# KiCad board oresat-backplane-1u.kicad_pcb (continued)
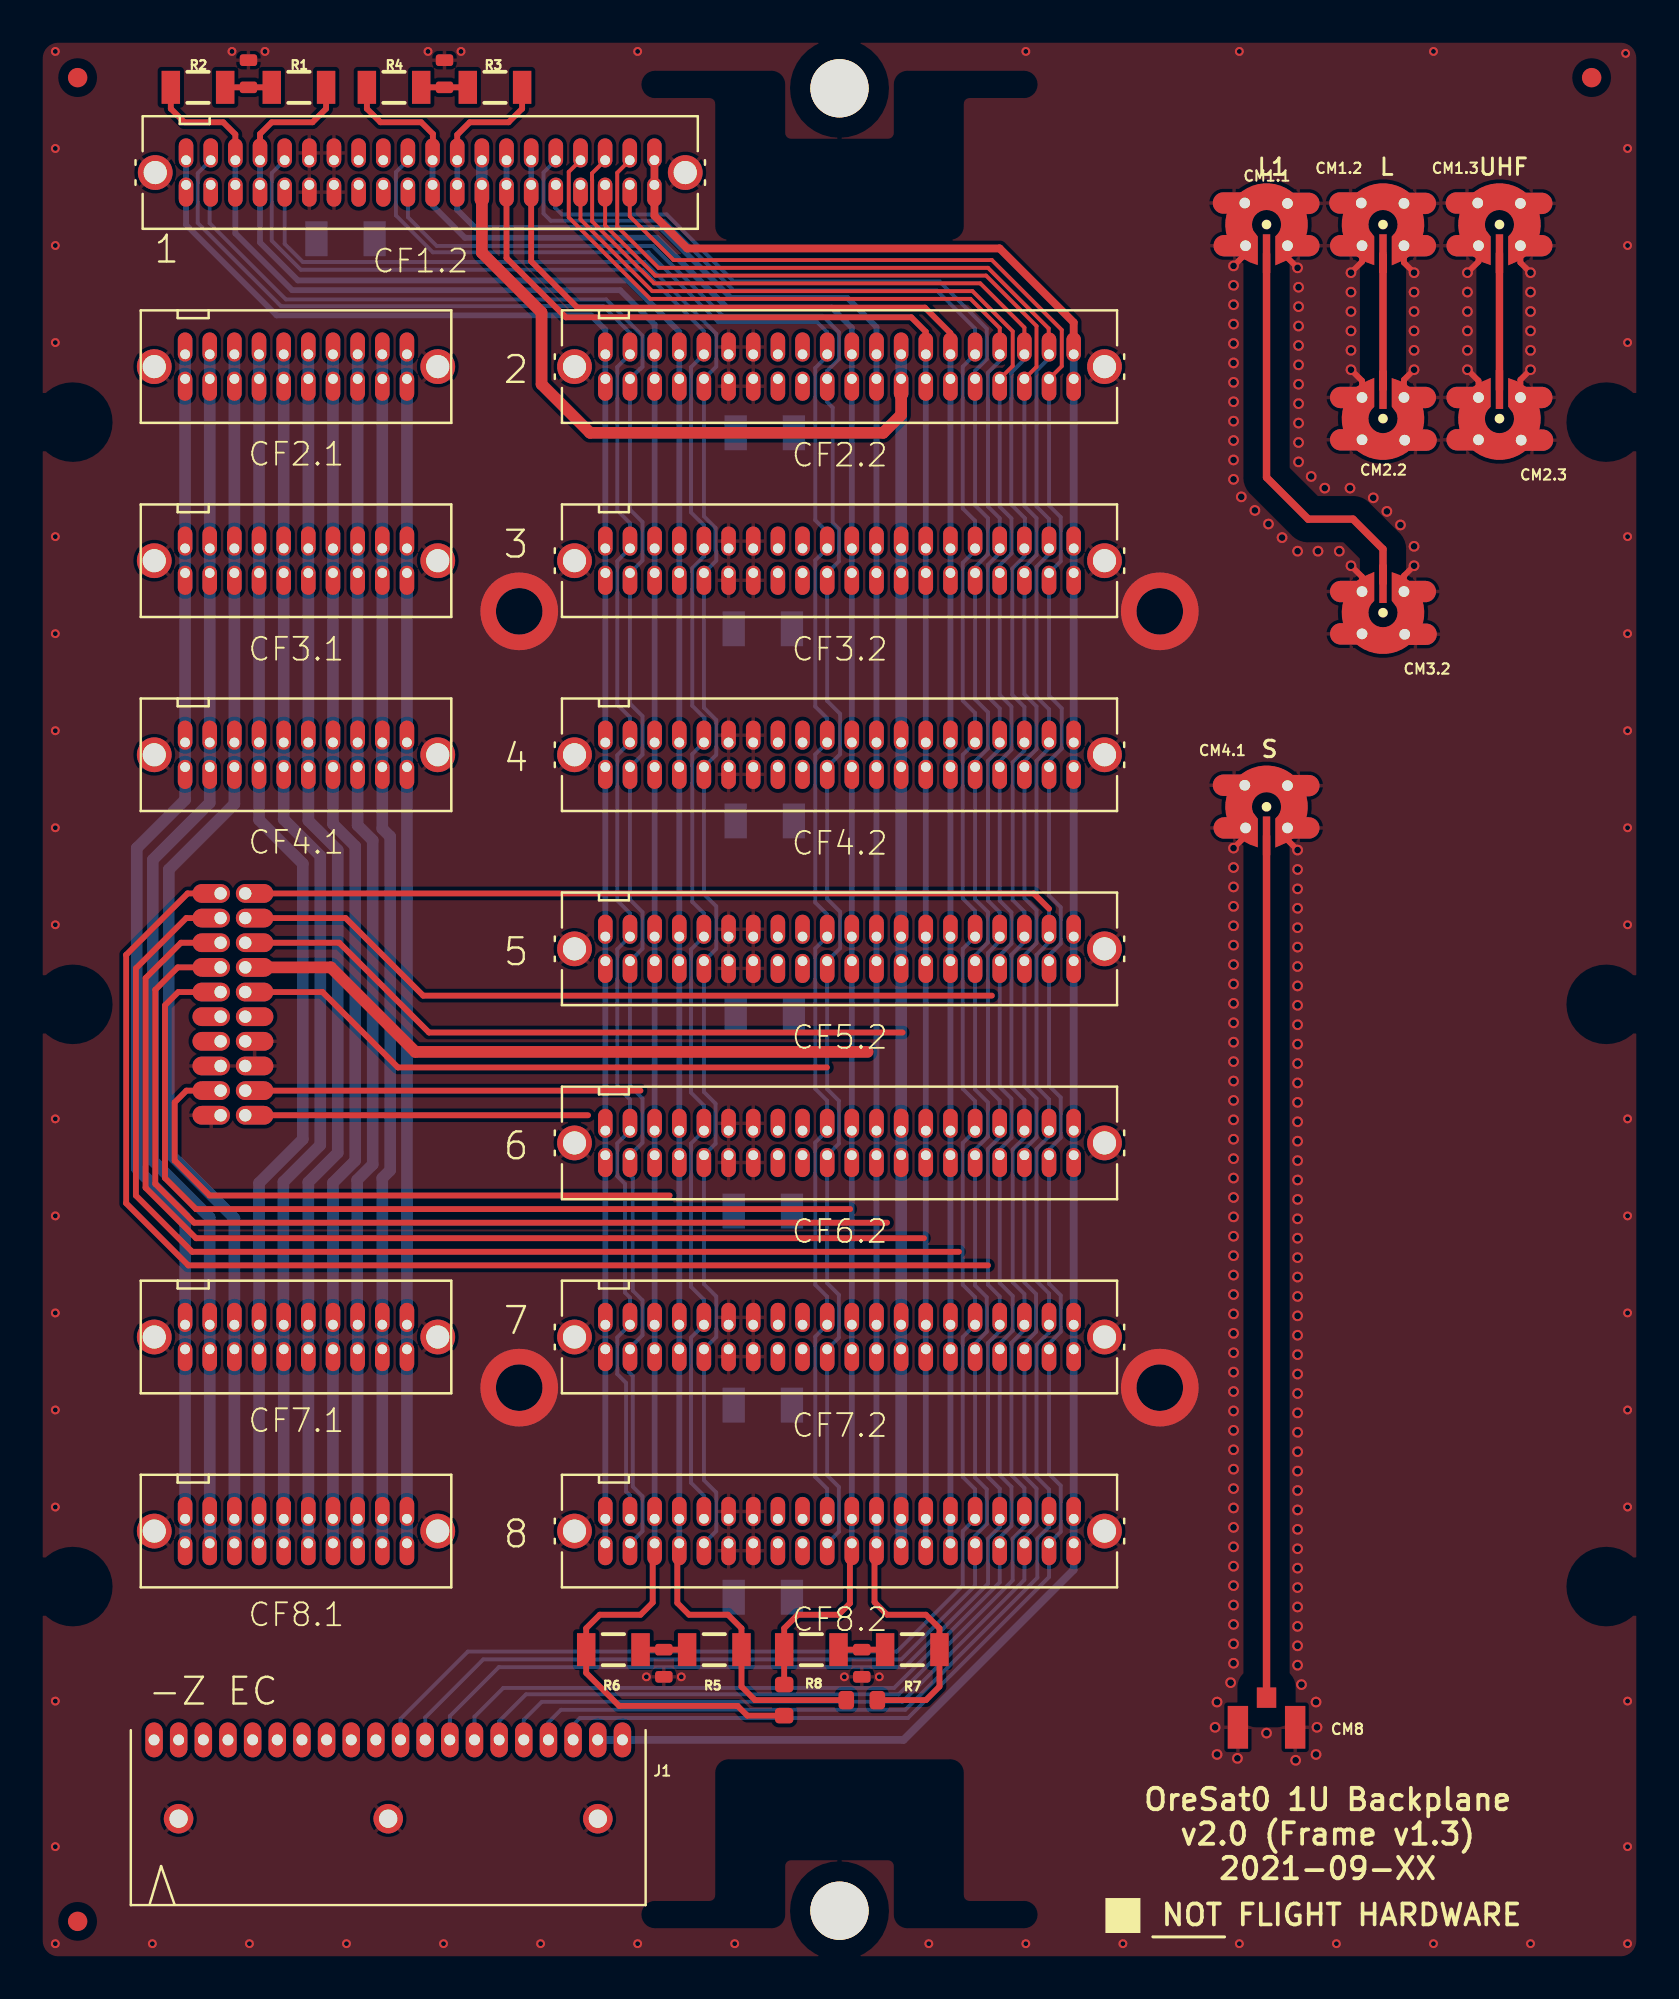
[diagram p0: board, top side]
## Nets (continued)
CAN2_L: CF1.2.19 CF1.2.20 CF2.2.19 CF2.2.20 CF3.2.19 CF3.2.20 CF4.2.19 CF4.2.20 CF5.2.19 CF5.2.20 CF6.2.19 CF6.2.20 CF7.2.19 CF7.2.20 CF8.2.19 CF8.2.20 J3.10 R4.1 R8.1 R9.2
L1-TURNSTILE: CM1.1.RF-DOWN CM3.2.RF-DOWN
L-TURNSTILE: CM1.2.RF-DOWN CM2.2.RF-DOWN
N$1: C2.1 R3.2 R4.2
N$2: C1.1 R1.2 R2.2
N$3: C4.1 R7.2 R8.2
N$4: C3.1 R5.2 R6.2
OPD_PWR: CF1.2.15 CF1.2.16 CF2.2.15 CF2.2.16 CF3.2.15 CF3.2.16 CF4.2.15 CF4.2.16 CF5.2.15 CF5.2.16 CF6.2.15 CF6.2.16 CF7.2.15 CF7.2.16 CF8.2.15 CF8.2.16 J3.8
OPD_SCL: CF1.2.13 CF1.2.14 CF2.2.13 CF2.2.14 CF3.2.13 CF3.2.14 CF4.2.13 CF4.2.14 CF5.2.13 CF5.2.14 CF6.2.13 CF6.2.14 CF7.2.13 CF7.2.14 CF8.2.13 CF8.2.14 J3.7
OPD_SDA: CF1.2.11 CF1.2.12 CF2.2.11 CF2.2.12 CF3.2.11 CF3.2.12 CF4.2.11 CF4.2.12 CF5.2.11 CF5.2.12 CF6.2.11 CF6.2.12 CF7.2.11 CF7.2.12 CF8.2.11 CF8.2.12 J3.6
S-PATCH: CM4.1.RF-DOWN CM8.1
SPARE1: CF1.2.1 CF1.2.2 CF2.2.1 CF2.2.2 CF3.2.1 CF3.2.2 CF4.2.1 CF4.2.2 CF5.2.1 CF5.2.2 CF6.2.1 CF6.2.2 CF7.2.1 CF7.2.2 CF8.2.1 CF8.2.2 J1.19 J1.20
SPARE1-TURNSTILE-DPLY: J3.5
SPARE2: J3.4
SPARE3: CF1.2.3 CF2.2.3 CF3.2.3 CF4.2.3 CF5.2.3 CF6.2.3 CF7.2.3 CF8.2.3 J1.18
SPARE3-MAG-PWR: J3.3
SPARE4: CF1.2.4 CF2.2.4 CF3.2.4 CF4.2.4 CF5.2.4 CF6.2.4 CF7.2.4 CF8.2.4 J1.17
SPARE4-MAG-SCL: J3.2
SPARE5: CF1.2.5 CF2.2.5 CF3.2.5 CF4.2.5 CF5.2.5 CF6.2.5 CF7.2.5 CF8.2.5 J1.16
SPARE5-MAG-SDA: J3.1
SPARE6: CF1.2.6 CF2.2.6 CF3.2.6 CF4.2.6 CF5.2.6 CF6.2.6 CF7.2.6 CF8.2.6 J1.15
SPARE7: CF1.2.7 CF2.2.7 CF3.2.7 CF4.2.7 CF5.2.7 CF6.2.7 CF7.2.7 CF8.2.7 J1.14
SPARE8: CF1.2.8 CF2.2.8 CF3.2.8 CF4.2.8 CF5.2.8 CF6.2.8 CF7.2.8 CF8.2.8 J1.13
SPARE9: CF1.2.9 CF2.2.9 CF3.2.9 CF4.2.9 CF5.2.9 CF6.2.9 CF7.2.9 CF8.2.9 J1.12
SPARE10: CF1.2.10 CF2.2.10 CF3.2.10 CF4.2.10 CF5.2.10 CF6.2.10 CF7.2.10 CF8.2.10 J1.11
SPARE21: CF1.2.21 CF2.2.21 CF3.2.21 CF4.2.21 CF5.2.21 CF6.2.21 CF7.2.21 CF8.2.21
SPARE22: CF1.2.22 CF2.2.22 CF3.2.22 CF4.2.22 CF5.2.22 CF6.2.22 CF7.2.22 CF8.2.22
SPARE31: CF1.2.31 CF2.2.31 CF3.2.31 CF4.2.31 CF5.2.31 CF6.2.31 CF7.2.31 CF8.2.31
SPARE32: CF1.2.32 CF2.2.32 CF3.2.32 CF4.2.32 CF5.2.32 CF6.2.32 CF7.2.32 CF8.2.32
UART-RX: CF1.2.38 CF2.2.38 CF3.2.38 CF4.2.38 CF5.2.38 CF6.2.38 CF7.2.38 CF8.2.38
UART-TX: CF1.2.37 CF2.2.37 CF3.2.37 CF4.2.37 CF5.2.37 CF6.2.37 CF7.2.37 CF8.2.37
UHF-TURNSTILE: CM1.3.RF-DOWN CM2.3.RF-DOWN
~{SD}: CF1.2.39 CF1.2.40 CF2.2.39 CF2.2.40 CF3.2.39 CF3.2.40 CF4.2.39 CF4.2.40 CF5.2.39 CF5.2.40 CF6.2.39 CF6.2.40 CF7.2.39 CF7.2.40 CF8.2.39 CF8.2.40 J3.20

Pads without a net: FIDUCIAL1 FIDUCIAL; FIDUCIAL2 FIDUCIAL; FIDUCIAL3 FIDUCIAL; J1 1 2 3 4 5 6 7 8 9 10

## Via types
v1: diameter 0.553, hole 0.35, Top to Bottom, 160 vias
v2: diameter 0.457, hole 0.254, Top to Bottom, 60 vias
v3: diameter 4, hole 2.4, Top to Bottom, 4 vias

## Routing (per net, layer and track width the routed paths; a pad name or vN(x,y) marks a point on that pad's centre or on a via; arc(x,y) is an arc through that point)
GND: length 21.5
  Top w0.3: CM4.1.P$3 62.17,57.92 v1(61.55,57.3) ; v1(70.85,71.85) 70.33,71.33 CM3.2.P$3 ; v1(61.55,87.3) 62.17,87.92 CM1.1.P$3 ; v1(70.85,86.95) 70.33,87.47 CM1.2.P$4 ; v1(64.85,57.2) 64.33,57.72 CM4.1.P$4 ; CM2.3.P$3 76.33,81.43 v1(76.85,81.95) ; CM1.2.P$3 68.17,87.52 v1(67.6,86.95) ; v1(76.85,86.95) 76.33,87.47 CM1.3.P$4 ; v1(73.6,86.95) 74.17,87.52 CM1.3.P$3 ; CM2.2.P$4 68.17,81.38 v1(67.6,81.95) ; v1(67.6,71.85) 68.17,71.28 CM3.2.P$4 ; v1(64.85,87.2) 64.33,87.72 CM1.1.P$4 ; v1(73.6,81.95) 74.17,81.38 CM2.3.P$4 ; v1(70.85,81.95) 70.33,81.43 CM2.2.P$3
  vias: v1(60.6,12) v1(60.7,13.3) v1(60.7,10.6) v1(61.4,14.3) v1(61.55,86.3) v1(61.55,85.3) v1(61.55,84.3) v1(61.55,83.3) v1(61.55,82.3) v1(61.55,81.3) v1(61.55,80.3) v1(61.55,79.3) v1(61.55,78.3) v1(61.55,77.3) v1(61.55,76.3) v1(61.55,56.3) v1(61.55,55.3) v1(61.55,54.3) v1(61.55,53.3) v1(61.55,52.3) v1(61.55,51.3) v1(61.55,50.3) v1(61.55,49.3) v1(61.55,48.3) v1(61.55,47.3) v1(61.55,46.3) v1(61.55,45.3) v1(61.55,44.3) v1(61.55,43.3) v1(61.55,42.3) v1(61.55,41.3) v1(61.55,40.3) v1(61.55,39.3) v1(61.55,38.3) v1(61.55,37.3) v1(61.55,36.3) v1(61.55,35.3) v1(61.55,34.3) v1(61.55,33.3) v1(61.55,32.3) v1(61.55,31.3) v1(61.55,30.3) v1(61.55,29.3) v1(61.55,28.3) v1(61.55,27.3) v1(61.55,26.3) v1(61.55,25.3) v1(61.55,24.3) v1(61.55,23.3) v1(61.55,22.3) v1(61.55,21.3) v1(61.55,20.3) v1(61.55,19.3) v1(61.55,18.3) v1(61.55,17.3) v1(61.55,16.3) v1(61.55,15.3) v1(61.75,10.4) v1(61.95,75.4) v1(62.65,74.7) v1(63.25,11.7) v1(63.35,74) v1(64.05,73.3) v1(64.75,10.3) v1(64.85,72.6) v1(64.85,56.2) v1(64.85,55.2) v1(64.85,54.2) v1(64.85,53.2) v1(64.85,52.2) v1(64.85,51.2) v1(64.85,50.2) v1(64.85,49.2) v1(64.85,48.2) v1(64.85,47.2) v1(64.85,46.2) v1(64.85,45.2) v1(64.85,44.2) v1(64.85,43.2) v1(64.85,42.2) v1(64.85,41.2) v1(64.85,40.2) v1(64.85,39.2) v1(64.85,38.2) v1(64.85,37.2) v1(64.85,36.2) v1(64.85,35.2) v1(64.85,34.2) v1(64.85,33.2) v1(64.85,32.2) v1(64.85,31.2) v1(64.85,30.2) v1(64.85,29.2) v1(64.85,28.2) v1(64.85,27.2) v1(64.85,26.2) v1(64.85,25.2) v1(64.85,24.2) v1(64.85,23.2) v1(64.85,22.2) v1(64.85,21.2) v1(64.85,20.2) v1(64.85,19.2) v1(64.85,18.2) v1(64.85,17.2) v1(64.85,16.2) v1(64.85,15.2) v1(64.9,86.2) v1(64.9,85.2) v1(64.9,84.2) v1(64.9,83.2) v1(64.9,82.2) v1(64.9,81.2) v1(64.9,80.2) v1(64.9,79.2) v1(64.9,78.2) v1(64.9,77.2) v1(65.05,14.2) v1(65.55,76.45) v1(65.8,13.3) v1(65.85,12) v1(65.8,10.6) v1(65.9,72.6) v1(66.25,75.85) v1(67,72.6) v1(67.55,75.85) v1(67.6,85.95) v1(67.6,84.95) v1(67.6,83.95) v1(67.6,82.95) v1(68.75,75.35) v1(69.45,74.65) v1(70.15,73.95) v1(70.85,85.95) v1(70.85,84.95) v1(70.85,83.95) v1(70.85,82.95) v1(70.85,72.85) v1(73.6,85.95) v1(73.6,84.95) v1(73.6,83.95) v1(73.6,82.95) v1(76.85,85.95) v1(76.85,84.95) v1(76.85,83.95) v1(76.85,82.95) v2(0.85,98.35) v2(0.85,93.35) v2(0.85,88.35) v2(0.85,83.35) v2(0.85,73.35) v2(0.85,68.35) v2(0.85,63.35) v2(0.85,58.35) v2(0.85,53.35) v2(0.85,43.35) v2(0.85,38.35) v2(0.85,33.35) v2(0.85,28.35) v2(0.85,23.35) v2(0.85,13.35) v2(0.85,5.85) v2(0.85,0.85) v2(5.85,0.85) v2(9.95,98.35) v2(10.85,0.85) v2(11.65,98.35) v2(15.85,0.85) v2(20.05,98.35) v2(20.85,0.85) v2(21.75,98.35) v2(25.85,0.85) v2(30.85,98.35) v2(30.85,0.85) v2(31.3,14.6) v2(33.1,14.6) v2(35.85,0.85) v2(41.5,14.6) v2(43.3,14.6) v2(45.85,0.85) v2(50.85,98.35) v2(50.85,0.85) v2(55.85,0.85) v2(61.85,98.35) v2(61.85,0.85) v2(66.85,0.85) v2(71.85,98.35) v2(71.85,0.85) v2(76.85,0.85) v2(81.75,98.25) v2(81.85,93.35) v2(81.85,88.35) v2(81.85,83.35) v2(81.85,73.35) v2(81.85,68.35) v2(81.85,63.35) v2(81.85,58.35) v2(81.85,53.35) v2(81.85,43.35) v2(81.85,38.35) v2(81.85,33.35) v2(81.85,28.35) v2(81.85,23.35) v2(81.85,13.35) v2(81.85,5.85) v2(81.85,0.85) v3(24.75,69.5) v3(24.75,29.5) v3(57.75,69.5) v3(57.75,29.5)
VBUS: length 31.4
  In2.Cu w1: 39.48,48.62 J3.12 J3.11 J3.13
AUX-1: length 61.3
  Bottom w0.6: CF8.1.1 CF8.1.2 CF7.1.1 CF7.1.2 CF4.1.1 CF4.1.2 CF3.1.1 CF3.1.2 CF2.1.1 CF2.1.2
AUX-2: length 62.9
  Bottom w0.6: CF2.1.4 CF2.1.3 CF3.1.4 CF3.1.3 CF4.1.3 ; CF8.1.3 CF8.1.4 CF7.1.3 CF7.1.4 17.7,40.3 18.1,40.7 18.1,57.9 17.7,58.31 CF4.1.3 ; CF4.1.3 CF4.1.4
AUX-3: length 64.5
  Bottom w0.6: CF8.1.6 CF8.1.5 CF7.1.5 CF7.1.6 16.4,32.77 16.4,40.2 17.2,41 17.2,57.7 16.43,58.48 CF4.1.5 ; CF4.1.5 CF4.1.6 ; CF4.1.5 CF3.1.5 CF3.1.6 CF2.1.5 CF2.1.6
AUX-4: length 63.5
  Bottom w0.6: CF4.1.8 CF4.1.7 ; CF4.1.7 15.16,58.55 16.3,57.4 16.3,41.2 15.16,40.06 CF7.1.8 CF7.1.7 CF8.1.8 CF8.1.7 ; CF4.1.7 CF3.1.7 CF3.1.8 CF2.1.7 CF2.1.8
AUX-5: length 63.8
  Bottom w0.6: CF2.1.10 CF2.1.9 CF3.1.10 CF3.1.9 CF4.1.9 ; CF4.1.9 13.89,58.72 15.4,57.2 15.4,41.6 13.89,40.09 CF7.1.10 CF7.1.9 CF8.1.10 CF8.1.9 ; CF4.1.9 CF4.1.10
AUX-6: length 65.4
  Bottom w0.6: CF4.1.11 12.62,58.79 14.5,56.9 14.5,42 12.6,40.1 12.6,32.76 CF7.1.12 CF7.1.11 CF8.1.11 CF8.1.12 ; CF4.1.11 CF4.1.12 ; CF4.1.11 CF3.1.11 CF3.1.12 CF2.1.11 CF2.1.12
AUX-7: length 65.7
  Bottom w0.6: CF4.1.13 11.35,58.76 13.6,56.5 13.6,42.3 11.35,40.05 CF7.1.14 CF7.1.13 CF8.1.13 CF8.1.14 ; CF4.1.13 CF4.1.14 ; CF4.1.13 CF3.1.13 CF3.1.14 CF2.1.13 CF2.1.14
AUX-8: length 66.6
  Bottom w0.6: CF2.1.16 CF2.1.15 CF3.1.16 CF3.1.15 CF4.1.15 ; CF4.1.15 10.08,59.58 6.7,56.2 6.7,41.6 10.08,38.23 CF7.1.16 CF7.1.15 CF8.1.15 CF8.1.16 ; CF4.1.15 CF4.1.16
AUX-9: length 66.2
  Bottom w0.6: CF4.1.17 8.81,59.63 5.87,56.7 5.87,41.2 8.81,38.27 CF7.1.18 CF7.1.17 CF8.1.17 CF8.1.18 ; CF4.1.17 CF4.1.18 ; CF4.1.17 CF3.1.17 CF3.1.18 CF2.1.17 CF2.1.18
AUX-10: length 63.3
  Bottom w0.6: CF8.1.19 CF8.1.20 CF7.1.19 CF7.1.20 7.54,38.31 5.05,40.8 5.05,57.3 7.54,59.79 CF4.1.19 CF4.1.20 CF3.1.19 CF3.1.20 CF2.1.19 CF2.1.20
CAN1_H: length 144.3
  Top w0.3: R10.1 36.9,13.4 36.2,14.1 R5.1 36.2,17.1 35.5,17.8 33.5,17.8 32.89,18.41 32.89,21.38 CF8.2.33 ; J3.17 7.61,44.81 7,44.2 7,41.2 8.8,39.4 32.5,39.4 ; CF1.2.34 11.4,94.09 12,94.7 14.1,94.7 14.8,95.4 R1.1
  Bottom w0.3: 33,52.5 CF4.2.33 CF4.2.34 CF3.2.33 CF3.2.34 CF2.2.33 CF2.2.34 33,83.91 30.35,86.55 13.35,86.55 11.4,88.51 CF1.2.33 CF1.2.34 ; 33,52.5 CF5.2.34 ; 33,52.5 CF5.2.33 CF6.2.34 CF6.2.33 CF7.2.34 CF7.2.33 CF8.2.34 CF8.2.33
CAN1_L: length 137.3
  Top w0.3: R2.1 6.8,95.4 7.5,94.7 9.5,94.7 10.12,94.08 CF1.2.36 ; CF8.2.35 31.63,21.38 31.63,18.43 31,17.8 28.9,17.8 28.2,17.1 R6.1 28.2,14.8 29.9,13.1 36,13.1 36.5,12.6 R9.1 ; J3.18 31,44.81
  Bottom w0.3: CF1.2.36 CF1.2.35 10.12,88.98 13.05,86.05 29.95,86.05 31.73,84.28 CF2.2.36 CF2.2.35 CF3.2.36 CF3.2.35 CF4.2.36 CF4.2.35 CF5.2.36 CF5.2.35 CF6.2.36 CF6.2.35 CF7.2.36 CF7.2.35 CF8.2.36 CF8.2.35
CAN2_H: length 157.1
  Top w0.3: CF8.2.17 43.05,21.38 43.05,18.44 43.7,17.8 45.7,17.8 46.4,17.1 R7.1 46.4,14.1 45.7,13.4 R10.2 ; J3.9 7.19,49.89 6.5,49.2 6.5,40.3 8.1,38.7 41.8,38.7 ; R3.1 24.9,95.4 24.2,94.7 22.2,94.7 21.55,94.06 CF1.2.18
  Bottom w0.3: CF1.2.18 CF1.2.17 21.55,90.18 22.49,89.25 32.05,89.25 35.65,85.65 41.65,85.65 43.16,84.15 CF2.2.18 CF2.2.17 CF3.2.18 CF3.2.17 CF4.2.18 CF4.2.17 CF5.2.18 CF5.2.17 CF6.2.18 CF6.2.17 CF7.2.18 CF7.2.17 CF8.2.18 CF8.2.17
CAN2_L: length 137.2
  Top w0.3: R9.2 R8.1 38.4,17.1 39.1,17.8 41.2,17.8 41.79,18.39 41.79,21.38 CF8.2.19 ; 40.6,46 18.5,46 14.62,49.89 J3.10 ; CF1.2.20 20.3,92.76 20.3,94.1 19.7,94.7 17.6,94.7 16.9,95.4 R4.1
  Bottom w0.3: CF8.2.19 CF8.2.20 CF7.2.19 CF7.2.20 CF6.2.19 CF6.2.20 CF5.2.19 CF5.2.20 CF4.2.19 CF4.2.20 CF3.2.19 CF3.2.20 41.89,81.6 ; 41.89,81.6 CF2.2.20 41.89,84.12 40.85,85.15 35.45,85.15 31.85,88.75 21.95,88.75 20.29,90.42 CF1.2.19 CF1.2.20 ; 41.89,81.6 CF2.2.19
L1-TURNSTILE: length 20.8
  Top w0.38: CM3.2.RF-DOWN 69.25,72.7 67.7,74.25 65.4,74.25 63.25,76.4 CM1.1.RF-DOWN
L-TURNSTILE: length 7
  Top w0.38: CM2.2.RF-DOWN CM1.2.RF-DOWN
N$1: length 2.4
  Top w0.3: R4.2 C2.1 R3.2
N$2: length 2.4
  Top w0.3: R1.2 C1.1 R2.2
N$3: length 2.4
  Top w0.3: R7.2 C4.1 R8.2
N$4: length 2.4
  Top w0.3: R5.2 C3.1 R6.2
OPD_PWR: length 129.8
  Top w0.6: CF2.2.15 44.42,79.62 43.5,78.7 28.4,78.7 25.9,81.2 25.9,84.9 22.83,87.98 CF1.2.15 ; 42.7,46.8 19.4,46.8 15.05,51.16 J3.8
  Bottom w0.6: CF1.2.16 CF1.2.15 ; CF2.2.16 CF2.2.15 CF3.2.16 CF3.2.15 CF4.2.16 CF4.2.15 CF5.2.16 CF5.2.15 CF6.2.16 CF6.2.15 CF7.2.16 CF7.2.15 CF8.2.16 CF8.2.15
OPD_SCL: length 143
  Top w0.3: CF1.2.13 24.1,87.71 27.15,84.65 44.95,84.65 45.7,83.91 CF2.2.14 ; J3.7 7.16,51.16 6,50 6,40 8,38 43.7,38
  Bottom w0.3: CF8.2.13 CF8.2.14 CF7.2.13 CF7.2.14 CF6.2.13 CF6.2.14 CF5.2.13 CF5.2.14 CF4.2.13 CF4.2.14 CF3.2.13 CF3.2.14 CF2.2.13 CF2.2.14 ; CF1.2.14 CF1.2.13
OPD_SDA: length 126.5
  Top w0.3: CF2.2.12 46.97,83.84 45.65,85.15 27.75,85.15 25.36,87.54 CF1.2.11 ; 44.5,47.8 20.1,47.8 15.48,52.43 J3.6
  Bottom w0.3: CF2.2.12 CF2.2.11 CF3.2.12 CF3.2.11 CF4.2.12 CF4.2.11 CF5.2.12 CF5.2.11 CF6.2.12 CF6.2.11 CF7.2.12 CF7.2.11 CF8.2.12 CF8.2.11 ; CF1.2.12 CF1.2.11
S-PATCH: length 44.4
  Top w0.38: CM8.1 CM4.1.RF-DOWN
SPARE1: length 119.3
  Top w0.4: CF1.2.2 CF1.2.1 31.72,89.89 33.4,88.2 49.5,88.2 53.32,84.39 CF2.2.2
  Bottom w0.4: CF7.2.1 53.32,31.29 ; CF7.2.1 CF7.2.2 CF6.2.1 CF6.2.2 CF5.2.1 CF5.2.2 CF4.2.1 CF4.2.2 CF3.2.1 CF3.2.2 CF2.2.1 CF2.2.2 ; CF7.2.1 CF8.2.2 CF8.2.1 53.32,20.12 44.55,11.35 J1.20 J1.19
SPARE1-TURNSTILE-DPLY: length 56.6
  Top w0.3: 45.6,37.2 8.1,37.2 5.5,39.8 5.5,50.6 7.33,52.43 J3.5
SPARE2: length 40.1
  Top w0.3: J3.4 15.81,53.7 19.8,49.7 49.1,49.7
SPARE3: length 122.3
  Top w0.2: CF2.2.3 52.7,82.13 52.7,84 49.1,87.6 32.7,87.6 30.45,89.86 CF1.2.3
  Bottom w0.2: J1.18 27.53,11.45 27.5,11.47 27.5,12.1 27.88,12.48 44.78,12.48 52.05,19.75 CF8.2.3 52.65,22.08 52.65,24.45 52.05,25.06 CF7.2.3 52.05,31.78 52.65,32.38 52.65,34.25 52.05,34.86 CF6.2.3 52.05,41.78 52.65,42.38 52.65,44.45 52.05,45.06 CF5.2.3 52.05,51.78 52.65,52.38 52.65,54.25 52.05,54.86 CF4.2.3 52.05,61.78 52.7,62.43 52.7,64.5 52.05,65.16 CF3.2.3 52.65,72.08 52.65,74.35 52.05,74.96 CF2.2.3
SPARE3-MAG-PWR: length 60.7
  Top w0.3: 47.4,36.5 7.9,36.5 5,39.4 5,51.1 7.6,53.7 J3.3
SPARE4: length 125.1
  Top w0.2: CF1.2.4 29.8,92.1 29.8,89.33 31.93,87.2 48.9,87.2 52.03,84.07 52.03,82.76 CF2.2.4
  Bottom w0.2: J1.17 26.26,12.25 26.9,12.9 44.64,12.9 51.44,19.71 51.44,21.72 52.05,22.33 CF8.2.4 52.05,24.25 51.4,24.9 51.4,31.7 52.05,32.34 CF7.2.4 52.05,34.36 51.4,35 51.4,41.8 52.05,42.45 CF6.2.4 52.05,44.36 51.4,45 51.4,51.8 52.05,52.45 CF5.2.4 52.05,54.16 51.4,54.8 51.4,61.8 52.05,62.45 CF4.2.4 52.05,64.46 51.4,65.1 51.4,71.8 52.05,72.45 CF3.2.4 52.05,74.26 51.4,74.9 51.4,81.9 52.05,82.55 CF2.2.4
SPARE4-MAG-SCL: length 41.7
  Top w0.3: 52.05,54.18 51.26,54.97 J3.2
SPARE5: length 124.2
  Top w0.2: CF2.2.5 51.4,82.1 51.4,84.2 48.8,86.8 31.76,86.8 29.17,89.39 CF1.2.5
  Bottom w0.2: CF2.2.5 50.78,74.93 51.4,74.3 51.4,72.4 50.78,71.78 CF3.2.5 50.78,65.23 51.4,64.6 51.4,62.4 50.78,61.78 CF4.2.5 50.78,54.73 51.4,54.1 51.4,52.4 50.78,51.78 CF5.2.5 50.78,45.03 51.4,44.4 51.4,42.4 50.78,41.78 CF6.2.5 50.78,34.93 51.38,34.32 51.38,32.38 50.78,31.78 CF7.2.5 50.78,24.93 51.4,24.3 51.4,22.4 50.78,21.78 CF8.2.5 50.78,19.6 44.49,13.31 25.91,13.31 24.98,12.39 J1.16
SPARE5-MAG-SDA: length 64.7
  Top w0.3: J3.1 7.67,54.97 4.5,51.8 4.5,39 7.7,35.8 48.9,35.8
SPARE6: length 126.4
  Top w0.2: CF1.2.6 28.5,92.07 28.5,91.73 28.51,91.72 28.51,89.59 31.7,86.4 48.5,86.4 50.78,84.12 CF2.2.6
  Bottom w0.2: J1.15 23.72,12.31 25.1,13.7 44.3,13.7 50.17,19.57 50.17,21.72 50.78,22.33 CF8.2.6 50.78,24.33 50.11,24.99 50.11,31.72 50.1,31.73 50.1,31.8 50.78,32.48 CF7.2.6 50.78,34.33 50.17,34.93 50.17,41.77 50.78,42.38 CF6.2.6 50.78,44.33 50.11,44.99 50.11,51.72 50.1,51.73 50.1,51.8 50.78,52.48 CF5.2.6 50.78,54.03 50.17,54.63 50.17,61.72 50.78,62.33 CF4.2.6 50.78,64.58 50.15,65.2 50.15,71.7 50.78,72.33 CF3.2.6 50.8,72.77 50.8,74.3 50.1,75 50.1,80.47 50.11,80.48 50.11,81.72 50.1,81.73 50.1,81.8 50.78,82.48 CF2.2.6
SPARE7: length 125.3
  Top w0.2: CF2.2.7 50.17,82.14 50.17,83.93 48.1,86 31.6,86 27.91,89.7 CF1.2.7
  Bottom w0.2: CF2.2.7 49.51,74.9 50.11,74.29 50.11,72.5 50.1,72.49 50.1,72.47 49.51,71.88 CF3.2.7 49.51,65.2 50.11,64.59 50.11,62.38 49.51,61.78 CF4.2.7 49.51,54.59 50.11,53.99 50.11,52.38 49.51,51.78 CF5.2.7 49.51,45 50.11,44.39 50.11,42.38 49.51,41.78 CF6.2.7 49.51,34.9 50.17,34.23 50.17,32.44 49.51,31.78 CF7.2.7 49.51,25 50.11,24.39 50.11,22.38 49.51,21.78 CF8.2.7 49.51,19.47 44.06,14.03 23.93,14.03 22.45,12.55 J1.14
SPARE8: length 127.5
  Top w0.2: CF1.2.8 27.3,92.14 27.3,89.8 31.5,85.6 48,85.6 49.51,84.09 CF2.2.8
  Bottom w0.2: J1.13 21.17,12.58 23.7,15.1 44.6,15.1 48.9,19.4 48.9,21.72 49.51,22.33 CF8.2.8 49.51,24.3 48.9,24.9 48.9,31.8 49.51,32.41 CF7.2.8 49.51,34.2 48.9,34.8 48.9,41.8 49.51,42.41 CF6.2.8 49.51,44.3 48.9,44.9 48.9,51.9 49.51,52.51 CF5.2.8 49.51,54 48.9,54.6 48.9,61.8 49.51,62.41 CF4.2.8 49.51,64.5 48.9,65.1 48.9,71.9 49.51,72.51 CF3.2.8 49.51,74.3 48.9,74.9 48.9,81.8 49.51,82.41 CF2.2.8
SPARE9: length 126.5
  Bottom w0.2: CF1.2.9 26.6,91.44 26.6,90.3 26.95,89.95 32.34,89.95 35.8,86.5 46.4,86.5 48.84,84.06 48.84,82.5 48.23,81.89 CF2.2.9 48.23,74.97 48.9,74.3 48.9,72.44 48.23,71.78 CF3.2.9 48.23,64.97 48.9,64.3 48.9,62.44 48.23,61.78 CF4.2.9 48.23,54.67 48.9,54 48.9,52.44 48.23,51.78 CF5.2.9 48.23,44.87 48.9,44.2 48.9,42.44 48.23,41.78 CF6.2.9 48.23,34.77 48.84,34.16 48.84,32.38 48.23,31.78 CF7.2.9 48.23,24.87 48.84,24.26 48.84,22.48 48.23,21.88 CF8.2.9 48.23,19.3 44.44,15.5 22.9,15.5 19.91,12.5 J1.12
SPARE10: length 128.8
  Bottom w0.2: CF1.2.10 26,92.11 26,90 26.37,89.63 32.21,89.63 35.81,86.03 46.27,86.03 48.23,84.07 CF2.2.10 47.6,82.11 47.6,74.8 48.23,74.17 CF3.2.10 48.23,72.64 47.6,72 47.6,64.9 48.23,64.27 CF4.2.10 47.6,62.11 47.6,54.7 48.23,54.07 CF5.2.10 47.6,52.11 47.6,44.9 48.23,44.27 CF6.2.10 47.6,42.11 47.6,34.8 48.23,34.17 CF7.2.10 47.6,32.11 47.6,24.9 48.23,24.27 CF8.2.10 47.6,22.11 47.6,19.3 44.2,15.9 22.1,15.9 18.64,12.44 J1.11
SPARE21: length 92.1
  Bottom w0.2: CF1.2.21 19.02,89.81 20.5,88.33 31.64,88.33 35.24,84.73 40.37,84.73 41.22,83.88 41.22,82.5 40.61,81.89 CF2.2.21 40.61,80.29 40.9,80 40.9,74.06 41.22,73.74 41.22,72.08 CF3.2.21 40.61,64.89 41.28,64.22 41.28,62.14 CF4.2.21 40.61,54.69 41.28,54.02 41.28,52.14 CF5.2.21 40.61,44.89 41.22,44.28 41.22,42.08 CF6.2.21 40.61,34.89 41.22,34.28 41.22,32.08 CF7.2.21 40.61,24.99 41.22,24.38 41.22,22.08 CF8.2.21
SPARE22: length 92
  Bottom w0.2: CF1.2.22 18.4,92.13 18.4,89.9 20.3,88 31.4,88 35,84.4 40.1,84.4 40.61,83.89 CF2.2.22 40.61,82.66 40,82.04 40,74.2 40.61,73.59 CF3.2.22 40,72.13 40,64.6 40.61,63.98 CF4.2.22 40,62.13 40,54.5 40.61,53.89 CF5.2.22 40,52.13 40,44.9 40.61,44.29 CF6.2.22 40,42.13 40,34.8 40.61,34.19 CF7.2.22 40,32.13 40,24.9 40.61,24.28 CF8.2.22
SPARE31: length 92.9
  Bottom w0.2: CF1.2.31 12.67,88.44 13.6,87.5 31.2,87.5 34.9,83.8 34.9,82.11 CF2.2.31 34.27,74.4 34.87,73.8 34.87,72.63 34.9,72.6 34.9,72.11 CF3.2.31 34.27,64.54 34.9,63.9 34.9,62.11 CF4.2.31 34.27,54.94 34.9,54.3 34.9,52.11 CF5.2.31 34.27,44.73 34.87,44.13 34.87,42.08 CF6.2.31 34.27,34.84 34.9,34.2 34.9,32.11 CF7.2.31 34.27,24.74 34.9,24.1 34.9,22.11 CF8.2.31
SPARE32: length 93.1
  Bottom w0.2: 34.3,62.78 CF4.2.32 ; 34.3,62.78 34.3,64 33.66,64.64 33.66,71.72 34.27,72.33 CF3.2.32 34.27,73.94 33.6,74.6 33.6,82.08 CF2.2.32 34.27,83.94 31.1,87.1 13.5,87.1 12,88.6 12,92.08 CF1.2.32 ; 34.3,62.78 33.66,62.14 33.66,54.54 34.27,53.94 CF5.2.32 33.6,52.08 33.6,44.7 34.27,44.04 CF6.2.32 33.6,42.08 33.6,34.7 34.27,34.04 CF7.2.32 33.6,32.08 33.6,24.6 34.27,23.94 CF8.2.32
UART-RX: length 92.5
  Bottom w0.2: CF1.2.38 8.19,92.08 8.19,89.51 12.47,85.23 29.07,85.23 30.45,83.84 CF2.2.38 29.8,82.09 29.8,74.7 30.45,74.05 CF3.2.38 29.8,72.09 29.8,64.7 30.45,64.05 CF4.2.38 29.8,62.09 29.8,54.6 30.45,53.95 CF5.2.38 29.8,52.09 29.8,45 30.45,44.34 CF6.2.38 29.8,42.09 29.8,40.4 30.2,40 30.2,34.4 30.45,34.15 CF7.2.38 29.8,32.09 29.8,30.2 30.26,29.75 30.26,24.15 30.45,23.94 CF8.2.38
UART-TX: length 92.5
  Bottom w0.2: CF1.2.37 8.8,91.42 8.8,89.5 12.73,85.57 29.23,85.57 31.1,83.7 31.1,82.1 31,82 30.98,82 CF2.2.37 30.45,74.75 31.1,74.1 31.1,72.12 CF3.2.37 30.45,64.75 31.1,64.1 31.1,62.12 CF4.2.37 30.45,54.65 31.1,54 31.1,52.12 CF5.2.37 30.45,45.05 31.1,44.4 31.1,42.12 CF6.2.37 30.5,41.43 30.5,40.4 30.6,40.3 30.6,34.5 31.1,34 31.1,32.2 30.45,31.56 CF7.2.37 30.4,31.42 30.4,30.3 30.6,30.1 30.6,24.4 31.1,23.9 31.1,22.11 30.47,21.47 CF8.2.37
UHF-TURNSTILE: length 7
  Top w0.38: CM2.3.RF-DOWN CM1.3.RF-DOWN
~{SD}: length 107.4
  Top w0.3: J3.20 28.3,43.54
  Bottom w0.3: CF1.2.40 CF1.2.39 7.59,89.42 12.25,84.75 28.45,84.75 29.19,84.02 CF2.2.40 CF2.2.39 CF3.2.40 CF3.2.39 CF4.2.40 CF4.2.39 CF5.2.40 CF5.2.39 CF6.2.40 CF6.2.39 CF7.2.40 CF7.2.39 CF8.2.40 CF8.2.39

## Copper pours and planes (outline as drawn; the poured copper is in the pictures)
GND on Top: 82.56,-0.06 -0.06,-0.06 -0.06,99.06 82.56,99.06
GND on Bottom: 82.58,-0.08 -0.08,-0.08 -0.08,99.08 82.58,99.08
GND on In1.Cu: 82.58,-0.08 -0.08,-0.08 -0.08,99.08 82.58,99.08
GND on In2.Cu: 82.58,-0.08 -0.08,-0.08 -0.08,99.08 82.58,99.08
VBUS on Bottom: 39.86,37.54 37.54,37.54 37.54,44.06 39.86,44.06
VBUS on Bottom: 18.26,87.54 15.94,87.54 15.94,94.06 18.26,94.06
VBUS on Bottom: 39.86,77.54 37.54,77.54 37.54,84.06 39.86,84.06
VBUS on Bottom: 39.86,47.54 37.54,47.54 37.54,54.06 39.86,54.06
VBUS on Bottom: 39.86,57.54 37.54,57.54 37.54,64.06 39.86,64.06
VBUS on Bottom: 39.86,67.54 37.54,67.54 37.54,74.06 39.86,74.06
VBUS on Bottom: 39.86,17.54 37.54,17.54 37.54,24.06 39.86,24.06
VBUS on Bottom: 39.86,27.54 37.54,27.54 37.54,34.06 39.86,34.06
VBUS on In2.Cu: 18.45,88.59 20.49,86.55 37.19,86.55 40.35,83.39 40.35,19.75 37.25,19.75 37.25,83.21 36.71,83.75 19.51,83.75 15.65,87.61 15.65,93.45 18.45,93.45

## Text on the board
B.Silkscreen: OreSat0 1U Backplane / v2.0 (Frame v1.3) / 2021-09-XX | DEBUG | 1 | 2 | 3 | 4 | 5 | 6 | 7 | 8
F.Silkscreen: L1 | S | L | UHF | OreSat0 1U Backplane / v2.0 (Frame v1.3) / 2021-09-XX | -Z EC | 1 | 2 | 3 | 4 | 5 | 6 | 7 | 8
